# KiCad board DFTBoard.kicad_pcb (continued)
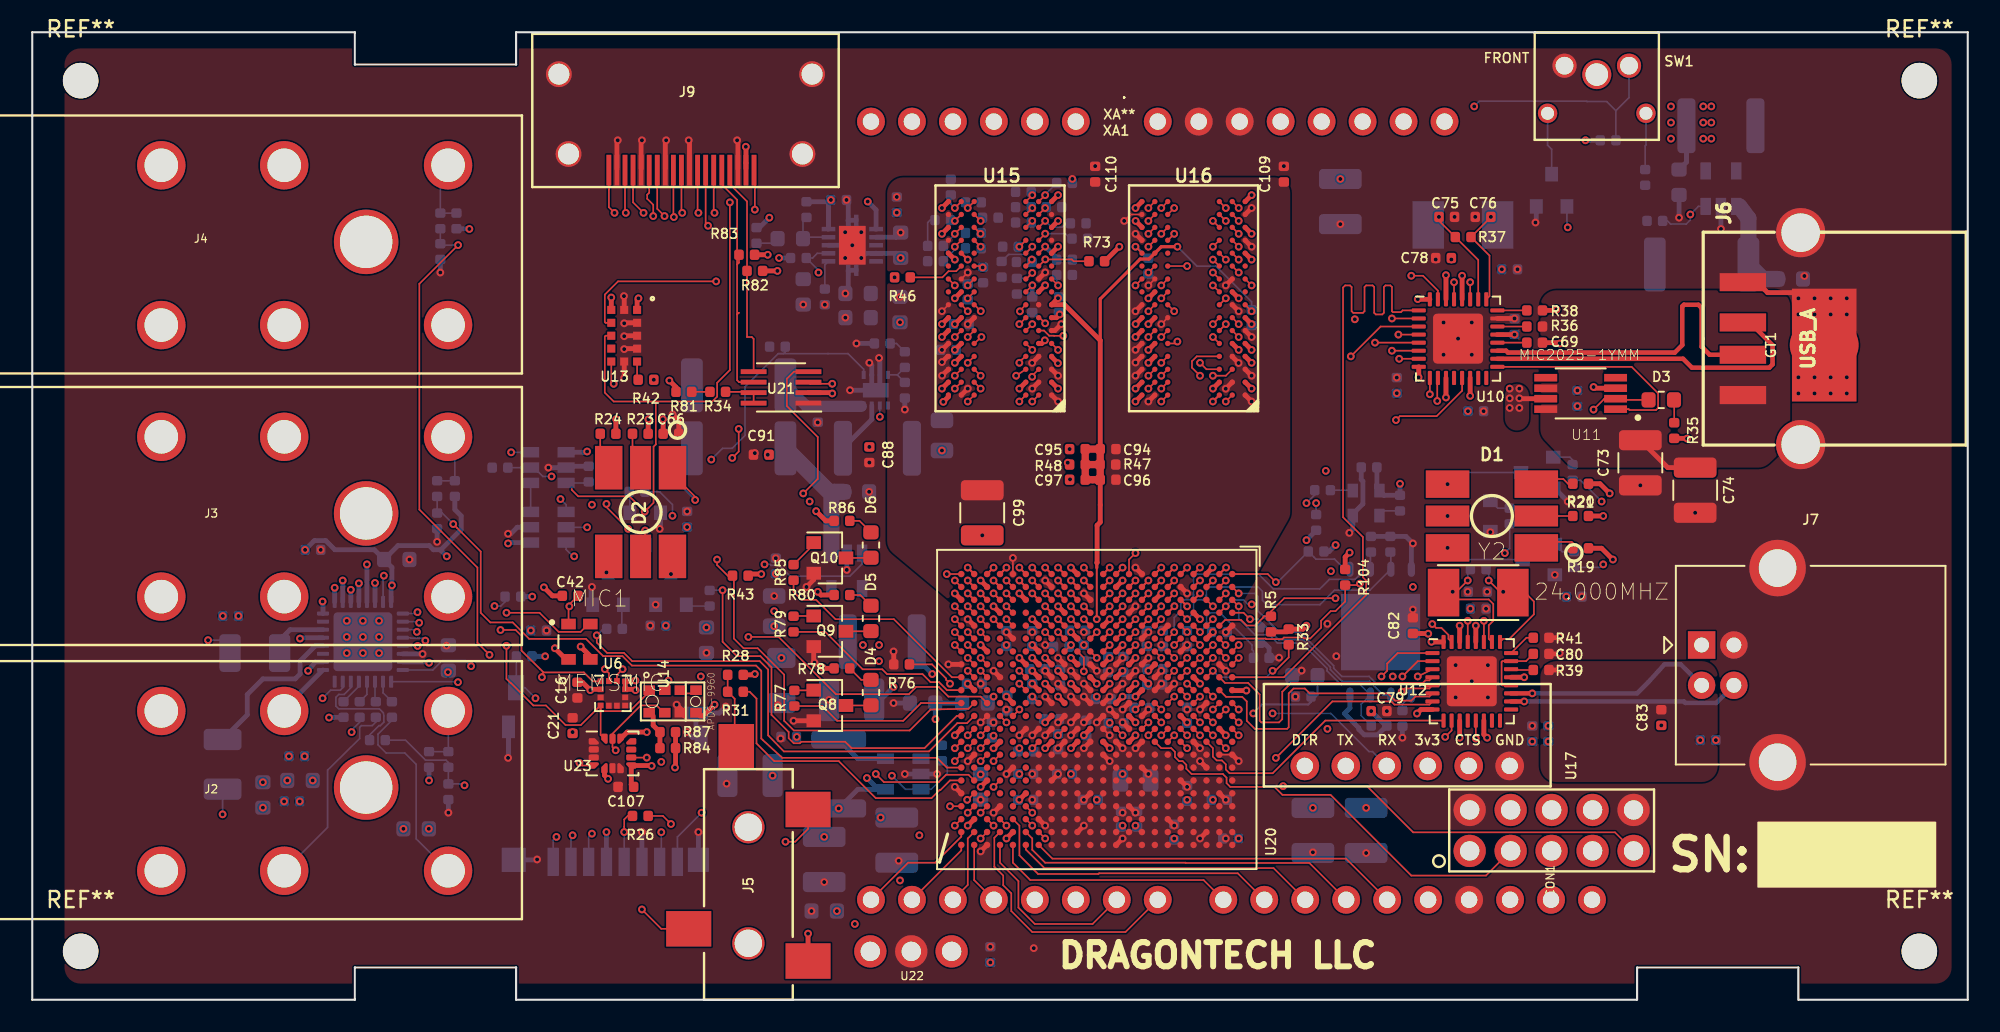
[diagram p0: board, top side]
## Routing (per net, layer and track width the routed paths; a pad name or vN(x,y) marks a point on that pad's centre or on a via; arc(x,y) is an arc through that point) (continued)
+3V3: length 69.3
  TOP_GND w0.102: U20.B3 v1(74,25.2)
  TOP_GND w0.3: U20.C6 v1(73.2,22.8) ; U20.Y17 v1(58.8,13.2) ; U20.B13 v1(74,16.4) ; U20.D9 v1(72.4,19.6) ; U20.E12 v1(71.6,17.2) ; v1(79,23.2) 78.78,22.99 R33.2 ; 74.4,19.18 v1(75.28,19.18) ; v1(39.85,14.4) 39.88,14.44 39.88,16.6 ; v1(85.85,17.75) 86.1,18 U12.8 ; U20.U8 v1(61.2,21.2) ; v1(37.4,19.2) 37.35,19.25 U6.9 U6.10 37.35,19.75 v1(37.4,19.8) ; U21.2 49.55,37.65 v1(49.6,37.6) ; U6.2 34.65,19.25 v1(34.6,19.2) 34.12,19.69 C16.1 ; 44.78,46.2 v1(45.6,46.2) ; v1(81.68,27.73) 81.4,27.46 R104.1 ; v1(90.2,16.25) 90,16.45 U12.14 ; U13.1 37.5,43.41 v1(37.59,43.5) ; U20.Y7 v1(58.8,22) ; U20.AB13 v1(57.2,16.4) ; U12.32 86.76,22.19 v1(86.75,22.2) ; U20.AA20 v1(58,10.8) ; U20.AA10 v1(58,19.6) ; v1(85.95,38.6) 85.96,38.61 U10.8 ; U12.11 v1(88.5,16.25) ; v1(86.55,22.7) 86.09,22.72 85.6,22.72 ; 44.38,26.4 v1(45.2,26.4) ; v1(102.6,34.8) 102.59,34.81 R35.2 ; U20.W14 v1(59.6,15.6) ; 37.28,13.2 37.14,13.35 U23.8 38.38,14.52 v1(38.4,14.5) ; U23.5 35.48,13.92 v1(35.7,13.7) ; 39.12,35.1 39.12,35.98 ; 45.28,45.2 v1(46.2,45.2) ; U10.32 85.91,43.44 v1(85.9,43.45) ; U13.11 v1(35.9,43.55) ; 77.8,22.81 R5.1 ; U10.11 v1(87.65,37.35) ; U20.W4 v1(59.6,24.4) ; v1(38.1,16.6) 36.89,16.6 U23.12 ; U20.V21 v1(60.4,10) ; U20.V11 v1(60.4,18.8) ; v1(42.3,18.3) 41.6,17.6 41.4,17.6 ; U20.U18 v1(61.2,12.4) ; U10.14 v1(89.15,37.45) ; U20.T5 v1(62,23.6) ; U20.AB3 v1(57.2,25.2)
  BOTTOM w0.3: L2.2 102.56,51.95 C10.1 ; J8.4 v1(35.6,10.4) ; R25.1 v1(46.3,46) ; U9.7 24.55,20.95 v1(24.6,20.9) ; v1(79,28.5) 79.6,29.1 79.6,29.12 ; U8.10 49.37,49.45 v1(49.51,49.6) 49.4,49.48 R101.1 ; R106.2 80.41,27.8 v1(80.81,28.2) ; v1(84.8,32) 84.8,31.28 83.81,31.28 83.37,31.74 C120.1 ; 18.75,24.68 v1(18.75,25.55) ; U9.18 17.55,20.95 v1(17.1,20.4) ; C41.2 25.8,20.34 v1(25.77,20.32) ; v1(45.7,48.5) 45.09,47.89 R102.2 ; R99.1 v1(31.8,21.3) ; U19.8 81.69,18.09 81.35,17.75 82.25,16.85 82.25,16.76 82.59,16.43 83.41,16.43 R95.2 83.91,17 v1(83.01,17.9) ; v1(18,24.7) 18.03,24.68 U9.24
  vias: v1(12.78,23.8) v1(14.3,13.49) v1(15.81,13.6) v1(15.92,15.1) v1(16.58,12.3) v1(24.59,10.6) v1(30.91,22.9) v1(33.5,16.6) v1(38.53,38.45) v1(39.1,36) v1(40.6,29.31) v1(41.8,23.09) v1(45.6,33.8) v1(46.1,26.41) v1(51.9,34.28) v1(59.4,2.31) v1(60.4,22) v1(64.4,14) v1(66,12.4) v1(67.6,14) v1(67.6,10.8) v1(68.4,10.8) v1(70.8,10) v1(71.6,12.4) v1(73.2,12.4) v1(74.8,10) v1(79.4,11.9) v1(81.1,50.9) v1(82.7,11.9) v1(89.01,36.5) v1(91.12,45.3) v1(93,16.01) v1(94,16.99) v1(101.6,55.4) v1(101.6,54.4) v1(101.6,53.4) v1(103.41,16.1) v1(103.6,55.4) v1(103.6,54.4) v1(103.6,53.4) v1(104.1,55.4) v1(104.1,54.4) v1(104.1,53.4)
+5V: length 18.4
  TOP_GND w0.3: R81.2 39.91,37.98 v1(39.5,38.4) ; U10.21 v1(91.9,41.25) ; v1(48.6,30.3) 49.2,29.7 49.72,29.7 ; v1(94.7,20.5) 94.65,20.45 R39.2 ; 49.72,25.1 48.9,25.1 v1(48.7,25.3) ; R23.1 38.19,35.98 ; R20.1 v1(97.4,30) ; 49.72,20.55 49.05,20.55 v1(49,20.6) ; R21.1 97.2,32 v1(97.8,31.4) ; v1(98,27.3) 97.3,28 R19.1 ; U12.21 v1(92.5,20) ; R24.1 36.19,35.98 ; 44.25,51.89 44.24,51.9 ; v1(92.2,37.3) 92.22,37.28 93.84,37.28 ; 44.25,51.55 44.25,52.89
  BOTTOM w0.3: U2.1 29.55,28.35 v1(29.5,28.3) ; v1(34.4,34) 34.35,33.95 U1.1
  vias: v1(36.2,36) v1(38.2,36) v1(39.28,23.2) v1(44.24,52.9) v1(49.89,5.5) v1(84.6,37.61) v1(91.6,37.9) v1(91.6,37.3) v1(91.6,36.7) v1(92.2,37.9) v1(92.2,36.7) v1(95.12,25) v1(95.8,36.81)
/Power/1V0TOLX: length 3.4
  BOTTOM w0.3: L3.1 51.19,14.95 U3.5
/Power/1V8_CS: length 8.5
  BOTTOM w1: 49.55,31.35 U7.1 ; 49.55,31.35 49.7,31.5 C13.1 ; 49.55,31.35 R90.2
/Power/1V35_CS: length 5.4
  BOTTOM w0.3: U5.8 51.4,36.8
  BOTTOM w0.7: 51.4,36.8 48,36.8 R89.2
/Power/3V3_CS: length 6
  BOTTOM w1: 105.85,49.2 106.4,48.45 R88.2 107.3,44.7 C3.1
/Power/VCCAUX: length 17.1
  TOP_GND w0.3: U20.L10 v1(66.8,19.6) ; v1(64.4,19.6) U20.N10 ; U20.R10 v1(62.8,19.6) ; U20.P11 v1(63.6,18.8)
  SIGNAL1 w0.3: v1(63.6,18.8) 63.11,18.31 61.76,18.31 60.65,19.43 60.22,19.43 v1(59.6,18.8)
  SIGNAL2 w0.102: 73.6,17.82 73.61,17.82
  SIGNAL2 w0.115: 73.8,17.6 74.99,17.6 75.15,17.76 v1(75.7,17.76) ; 73.8,17.6 73.6,17.8 ; 73.8,17.6 73.38,17.6 73.39,17.6 73.6,17.8 ; 73.6,17.8 73.6,17.81 73.6,17.82 ; 67.04,19.84 v1(66.8,19.6)
  BOTTOM w0.102: 79.79,20 C33.1
  BOTTOM w0.13: C33.1 79.69,18.91 79.58,18.8 79.28,18.8 79.28,18.48 79.12,18.31 76.26,18.31 v1(75.7,17.76)
  BOTTOM w0.3: FB1.1 59.24,18.44 v1(59.6,18.8)
/Sensors/3.3V_R: length 2.2
  TOP_GND w0.3: 38.5,17.6 38.5,17.02 R87.2 R84.1
GND: length 160.8
  TOP_GND w0.102: U16.M9 v1(68.4,46.7) ; U15.E1 v1(63.6,40.3) ; C97.2 64.32,32.25 v1(64.34,32.27) ; R48.2 v1(64.2,33.31) ; U20.A15 U20.B15 ; v1(73.18,26.8) 73.2,26.8 73.21,26.81 ; U16.P9 68.41,48.29
  TOP_GND w0.13: U20.L13 v1(66.8,16.4) ; U20.Y12 v1(58.8,17.2)
  TOP_GND w0.3: U20.A15 v1(74.8,14.8) ; U20.C21 v1(72.4,10) ; U20.K12 v1(66.8,18) ; U20.Y22 v1(58.8,9.2) ; U15.A9 56.8,37.39 v1(56.49,37.08) ; U20.L9 v1(66.8,20.4) ; 40.75,51.55 40.75,53.25 ; 36.25,51.55 36.25,53.25 ; v1(48.5,20.9) 48.45,20.95 Q9.2 ; U20.T20 v1(62.8,10.8) ; U20.R17 v1(63.6,14) ; U20.L12 v1(66,17.2) ; U20.M14 v1(65.2,15.6) ; U20.G9 v1(70,20.4) ; U15.B1 v1(63.6,37.9) ; U20.V16 v1(60.4,14) ; U16.E1 v1(75.6,40.3) ; U15.G8 v1(57.2,41.9) ; v1(68.41,41.9) 68.8,42.3 U16.G9 ; U13.12 36.7,43.62 ; U10.23 v1(91.9,42.25) ; U20.J11 v1(67.6,18) ; U13.4 36.73,40.38 ; U20.M8 v1(66,20.4) ; U16.D8 v1(69.2,39.5) ; R41.2 94.65,22.45 v1(94.7,22.5) ; U20.P10 v1(63.6,19.6) ; U20.H6 v1(69.2,22.8) ; U16.J8 v1(69.2,43.5) ; 39.25,51.55 39.25,53.25 ; U20.F20 v1(70.8,10.8) ; U16.G8 v1(69.2,41.9) ; U16.A9 v1(68.4,37.1) ; v1(65.2,17.2) U20.M12 ; v1(48,25.6) 48.45,26.05 Q10.2 ; U16.G1 v1(75.6,41.9) ; U15.G1 63.5,42.3 v1(63.7,42.5) ; U15.D1 63.2,39.87 v1(63.59,39.47) ; U16.T1 v1(75.6,49.9) ; U20.K8 v1(67.6,21.2) ; U13.2 36.73,41.98 ; U20.H16 v1(69.2,14) ; C82.2 v1(85.6,24.2) ; v1(73.18,26.8) 72.8,26.42 U20.C1 ; C66.2 40.09,35.92 v1(39.7,36.3) ; v1(62.8,44.31) 62.4,43.91 U15.J2 ; 37.75,51.55 37.75,53.25 ; U20.K2 v1(67.6,26) ; U20.N13 v1(64.4,16.4) ; U20.E7 v1(71.6,22) ; U16.M1 v1(75.6,45.9) ; U20.D14 v1(72.4,15.6) ; v1(68.41,48.3) 68.8,47.91 U16.P9 ; v1(96.8,38) 96.88,37.92 U11.3 ; U13.6 v1(36.7,38.55) ; v1(53.4,21.6) 53.41,21.59 R76.2 ; U20.C16 v1(72.4,14.8) ; U15.G9 v1(56.4,41.9) ; U20.N21 v1(65.2,10.8) ; 43.75,51.55 43.75,53.25 ; U15.E2 62.59,40.7 v1(62.78,40.89) ; U13.3 36.73,41.18 ; U20.AA5 v1(58,23.6) ; U20.Y2 v1(58.8,26) ; U20.M10 v1(65.2,19.6) ; v1(94.5,42.8) 94.45,42.75 R38.2 ; U20.U3 v1(61.2,25.2) ; U20.G10 v1(70,19.6) ; U15.B9 v1(56.4,37.9) ; U20.V6 v1(60.4,22.8) ; U20.R11 v1(62.8,18.8) ; C80.1 94.65,21.45 v1(94.7,21.5) ; U15.T9 v1(56.4,49.1) ; U20.P14 v1(63.6,15.6) ; U20.P12 v1(63.6,17.2) ; U20.K22 v1(67.6,10) ; U16.B1 v1(75.6,37.9) ; v1(94.7,40.7) 94.65,40.75 C69.1 ; 111.1,43.85 107.59,43.85 106.94,44.5 J6.4 ; U16.B3 v1(73.2,37.9) ; U20.P8 v1(63.6,21.2) ; U20.P4 v1(63.6,24.4) ; U16.P1 v1(75.6,47.5) ; U20.N9 v1(64.4,20.4) ; U20.L5 v1(66.8,23.6) ; U20.L11 v1(66.8,18.8) ; U15.E8 v1(57.2,40.3) ; U16.E2 v1(74.8,40.3) ; U20.N1 v1(64.4,26.8) ; U20.A5 v1(74,22.8) ; U20.AB18 v1(57.2,13.2) ; U20.J13 v1(67.6,17.2) ; U20.J9 v1(68.4,20.4) ; U20.N11 v1(64.4,18.8) ; v1(63.6,46.71) 63.2,46.31 U15.M1 ; U20.N12 v1(64.4,17.2) ; U16.J2 v1(74.8,43.5) ; U20.H12 v1(69.2,18) ; U20.M11 v1(65.2,18.8) ; U15.P9 v1(56.4,47.5) ; U16.E8 v1(69.2,40.3) ; 36.48,13.36 C107.2 ; C78.2 v1(87.01,45.91) ; U20.E17 v1(71.6,13.2) ; U15.D8 v1(57.2,39.5) ; U15.B3 v1(61.2,37.9) ; U20.F10 v1(70.8,19.6) ; U20.G3 v1(70,25.2) ; v1(68.4,41.11) 68.79,41.5 U16.F9 ; U20.R13 v1(62.8,16.4) ; U20.W9 v1(59.6,20.4) ; v1(39.95,18.3) 40.43,17.82 40.43,17.6 ; U16.B9 v1(68.4,37.9) ; U20.B18 v1(74,12.4) ; U20.D4 v1(72.4,23.6) ; U20.U13 v1(61.2,16.4) ; U15.P1 63.2,47.9 v1(63.6,48.3) ; U20.K10 v1(67.6,19.6) ; Q8.2 v1(47.2,17.3) ; U20.K14 v1(67.6,15.6) ; U15.T1 v1(63.6,49.9) ; U16.T9 v1(68.4,49.1) ; U20.B8 v1(74,20.4) ; U20.AB8 v1(56.8,20.8) ; U20.L15 v1(66.8,14.8) ; v1(68.4,15.6) U20.H14 ; C110.2 v1(65.9,51.7) ; U16.D1 v1(75.6,39.5) ; U15.M9 v1(57.2,45.9) ; U20.H8 v1(69.2,21.2) ; U20.T13 v1(62,16.4) ; C109.2 v1(77.6,51.7) ; U20.AA15 v1(58,14.8) ; U20.R9 v1(62.8,20.4) ; U20.M18 v1(65.2,12.4) ; U15.J8 v1(57.2,43.5) ; U20.C11 v1(72.4,18) ; U15.F9 v1(56.4,41.1) ; U20.W19 v1(59.6,11.6) ; U20.J19 v1(68.4,11.6)
  BOTTOM w0.102: v1(68.4,46.7) 68.49,46.7 R49.2 ; 51.32,45.93 51.09,45.7 U8.11 ; 90.38,29.03 Q3.2 ; v1(50.84,46.79) 50.84,46.41
  BOTTOM w0.3: U4.2 v1(104.7,47.8) ; C10.2 v1(102.1,48.5) ; J8.6 29.53,15.03 v1(29.5,15) ; C36.1 v1(25.8,11.6) ; v1(40.6,16.6) 40.93,16.28 J8.11 41.15,16.6 J8.10 42.59,17.78 v1(43,18.18) ; v1(51.9,39.5) 52.05,39.35 U5.2 52.05,38.05 U5.9 ; 34.65,24.5 34.65,25.55 v1(34.7,25.6) ; C64.2 v1(25.3,45.1) ; 25.1,29.22 v1(25.1,28.4) ; U8.8 v1(50.84,46.79) ; v1(56.1,14) U3.2 v1(54.1,14) ; v1(31.3,8.7) 31.28,8.68 29.85,8.68 ; U8.11 U8.11 50.59,43.98 v1(50.41,43.8) ; v1(78.7,20.41) 78.39,20.1 C33.2 ; v1(81.66,28.95) 81.88,29.17 U18.2 81.88,30.12 82.5,30.75 82.5,32.15 82.4,32.26 82.4,33.02 ; 41.3,8.68 v1(41.3,10.4) ; C41.1 25.71,21.99 v1(25.69,21.96) ; 51.32,45.93 51.68,46.29 U8.4 53.55,46.29 v1(53.84,46) ; v1(93.2,48.2) 93.25,48.25 Q7.2 ; U19.4 85.5,28.21 v1(85.6,28.3) 85.16,28.74 R93.2 R94.2 ; U9.6 24.19,21.45 v1(24.2,21.44) ; v1(38.9,29.2) 38.95,29.25 Q4.2 ; v1(29.5,28.9) 29.67,28.9 30.07,29.3 U2.2 ; v1(48.7,35.8) 48.72,35.81 48.73,35.81 ; Q5.2 94.35,31.75 v1(95.2,30.9) ; C106.2 62.92,21.9 62.82,22 ; U8.11 U8.11 ; U8.11 50.59,47.79 v1(50.4,47.6) ; U8.11 50.59,49.5 v1(50.49,49.6) ; v1(69.2,18) 69.28,18.09 69.28,18.2 ; v1(46.4,16.2) 46.41,16.22 C27.2 ; C26.2 v1(53.4,18.4) ; v1(77.3,21.21) 77.29,21.2 R96.2 76.69,21.81 76.38,22.12 76.1,22.12 ; U7.2 v1(50.5,26.66) ; v1(32,33) U1.2 33.19,33.08 C1.2 ; U5.9 v1(50.7,37.8) ; U5.9 52.55,38.05 U5.3 52.55,39.75 v1(52.5,39.8) ; R74.2 v1(64.49,50.91) ; C67.2 v1(79.4,9.15) ; R92.2 v1(84.95,16.25) ; Q3.2 v1(90.4,29) ; 52.22,40.7 v1(51.1,40.7) ; J8.6 v1(37.8,10.4) ; C28.2 v1(53.72,8.62)
  vias: v1(17.89,27.9) v1(23.39,27.3) v1(31.88,22.9) v1(36.3,53.3) v1(36.69,43.64) v1(36.7,41.95) v1(36.7,41.15) v1(36.7,40.35) v1(37.8,53.3) v1(38.31,23.2) v1(38.65,24.5) v1(39.3,53.3) v1(40.6,30.28) v1(40.7,53.3) v1(41.8,21.51) v1(43.05,13.4) v1(43.7,53.3) v1(44.8,33.9) v1(46,25.04) v1(46.1,27.38) v1(46.22,18.28) v1(47.8,43.11) v1(48.31,5.5) v1(49.14,43.11) v1(49.1,7.3) v1(49.4,18.6) v1(50.4,46) v1(50.41,42.3) v1(51.4,47.6) v1(51.4,46) v1(51.9,33.31) v1(51.89,31.5) v1(53.47,44.8) v1(53.6,48.81) v1(53.8,42.01) v1(56.4,34.06) v1(58.8,19.6) v1(58.8,12.4) v1(58.9,28.8) v1(59.4,3.28) v1(59.6,17.2) v1(60.4,18) v1(62,22.8) v1(62,14) v1(62,12.4) v1(62.09,3.2) v1(62.8,22) v1(64.31,34.15) v1(65.2,22.8) v1(67.6,11.6) v1(70,22) v1(71.6,18) v1(74,10) v1(78.31,18.8) v1(80.3,23.31) v1(80.85,21.31) v1(81.1,48.1) v1(82.7,9.1) v1(83.99,17.9) v1(84.6,38.58) v1(87.5,42) v1(87.5,40) v1(88.19,48.55) v1(88.25,20.75) v1(88.25,18.75) v1(88.4,41) v1(89,25.3) v1(89.25,42) v1(89.25,40) v1(89.25,19.75) v1(89.47,48.55) v1(89.99,36.5) v1(90.13,24.25) v1(90.2,25.3) v1(90.25,20.75) v1(90.25,18.75) v1(92.09,45.3) v1(93,16.99) v1(94,16.01) v1(94.4,26.35) v1(95.8,37.78) v1(96.09,25) v1(99.7,31.9) v1(101,17.01) v1(103.1,30.2) v1(104.38,16.1) v1(109.5,43.5) v1(109.5,42.5) v1(109.87,44.88) v1(110.5,43.5) v1(110.5,42.5) v1(111.5,43.5) v1(111.5,42.5) v1(112.5,43.5) v1(112.5,42.5)
GNDA: length 14
  TOP_GND w0.3: C42.2 32.25,25.05 v1(31.72,25.58) ; 33.05,21.15 v1(32.4,21.8) ; J5.1 v1(48.1,4.1) ; 34.75,21.15 v1(34,21.9) 34.6,21.3 MIC1.3
  BOTTOM w0.3: J2.RB 15.62,18.04 U9.17 ; 30.28,25 v1(31,25) ; U9.21 16.65,22.45 v1(16.6,22.4) ; C45.1 18.42,17.51 v1(18.4,17.5) ; 19.25,24.68 v1(19.25,26)
  vias: v1(11.81,23.8) v1(14.3,11.91) v1(15.61,12.3) v1(16.89,15.1) v1(17.39,13.6) v1(19.5,23.5) v1(19.5,22.5) v1(19.5,21.5) v1(20.5,23.5) v1(20.5,22.5) v1(20.5,21.5) v1(21.5,23.5) v1(21.5,22.5) v1(21.5,21.5) v1(23.01,10.6) v1(109.5,38.6) v1(109.5,37.6) v1(110.5,38.6) v1(110.5,37.6) v1(111.5,38.6) v1(111.5,37.6) v1(112.5,38.6) v1(112.5,37.6)
/Audio/HPRCOM_C_N: length 56.4
  TOP_GND w0.102: 37.64,5.6 v1(37.8,5.6) 39,4.4 J5.3
  SIGNAL1 w0.102: v1(11.8,11.5) 11.46,11.5 9.7,13.26 9.7,15.3 10.2,15.8 11.12,15.8 15.27,11.65 16.55,11.65 22.6,5.6 27.88,5.6 29.88,7.6 43.2,7.6 43.7,7.1 43.7,6.3 43.24,5.84 38.04,5.84 v1(37.8,5.6)
  BOTTOM w0.102: C48.2 v1(11.8,11.5)
/Audio/HPRCOM_C_P: length 52.1
  TOP_GND w0.102: J5.2 48.1,10.6 47.3,9.8 v1(46.7,9.8)
  SIGNAL1 w0.102: v1(46.7,9.8) 44.7,7.8 29.8,7.8 27.8,5.8 22.69,5.8 16.58,11.91 15.3,11.91 10.9,16.31 v1(10.9,22.3)
  BOTTOM w0.102: 12.26,22.3 v1(10.9,22.3)
/Audio/HPSWITCH: length 3.4
  TOP_GND w0.102: 43.12,20.15 43.12,19.1 43.55,18.66 43.55,16.9
/Audio/INSWITCH: length 3.7
  BOTTOM w0.102: 24.6,15.38 25.8,15.38 25.8,17.89 J2.TB
/Audio/JACK_IN_N: length 12.3
  BOTTOM w0.102: J2.R 18.31,10.69 18.31,14.24 20.3,16.2 20.3,16.9 20.4,17 21.08,17 21.3,17.22 C40.2
/Audio/JACK_IN_P: length 12.4
  BOTTOM w0.102: J2.T 23.8,9.98 23.8,14.6 23.1,15.3 21.94,15.3 21.44,15.8 21.44,16.47 22.3,17.33 C37.2
/Audio/JACK_INC_N: length 1.3
  BOTTOM w0.102: U9.11 21.25,18.53 C40.1
/Audio/JACK_INC_P: length 1.5
  BOTTOM w0.102: C37.1 21.75,19.03 U9.10
/Audio/LED_1BA: length 2.5
  TOP_GND w0.102: D1.3 93.57,32.29 94.93,32.29 95.22,32 R21.2
/Audio/LED_1BC: length 4.9
  BOTTOM w0.102: v1(87.75,31.98) 88.47,32.7 Q5.3
/Audio/LED_1GA: length 2.3
  TOP_GND w0.102: R20.2 D1.2
/Audio/LED_1GC: length 0.7
  TOP_GND w0.102: 87.73,30.01 v1(87.75,30)
  BOTTOM w0.102: Q3.3 v1(87.75,30)
/Audio/LED_1RA: length 2.8
  TOP_GND w0.102: R19.2 95.51,28.32 95.44,28.39 93.62,28.39 D1.1
/Audio/LED_1RC: length 5
  BOTTOM w0.102: v1(87.75,28.02) 88.47,27.3 Q1.3
/Audio/LED_2BA: length 2.3
  TOP_GND w0.102: 35.22,35.1 35.22,33.52 ; 35.51,33.32 36.04,32.8
/Audio/LED_2BC:
  vias: v1(35.6,26.5)
/Audio/LED_2GA: length 2.3
  TOP_GND w0.102: 37.22,35.1 37.22,33.5 ; 37.51,33.3 38.02,32.8
/Audio/LED_2GC: length 2.7
  TOP_GND w0.102: 38.02,27.29 38,27.31 v1(38,29.1)
  BOTTOM w0.102: Q4.3 v1(38,29.1)
/Audio/LED_2RA: length 4.3
  TOP_GND w0.102: v1(41.1,30.99) 41.1,31.19 39.99,32.3 39.99,32.8
  BOTTOM w0.102: 39.5,32.01 40.08,32.01 v1(41.1,30.99)
/Audio/LED_2RC:
  vias: v1(39.6,26.4)
/Audio/LSWITCH: length 4
  BOTTOM w0.102: J3.TB 26.2,34.49 R29.1 R30.2
/Audio/MICBIAS: length 23.1
  TOP_GND w0.102: MIC1.1 33.25,24.35 v1(33.3,24.4) 33.3,24.51 C42.1 34.13,25.05
  SIGNAL1 w0.102: v1(33.3,24.4) 33.29,24.41 v1(28.66,24.41)
  SIGNAL2 w0.102: v1(18,18.7) 22.98,18.7 28.81,24.53
  BOTTOM w0.102: U9.15 19.25,19.35 19.1,19.2 18.5,19.2 v1(18,18.7) ; C35.2 29.31,24.68 29.05,24.41 v1(28.66,24.41)
/Audio/RSWITCH: length 4.2
  BOTTOM w0.102: J4.TB 25.3,51.27 R32.2 R27.1
/Audio/SIG_F: length 1.4
  BOTTOM w0.102: U9.12 20.75,18.94 C38.1
/Audio/SIGC_F: length 19.7
  TOP_GND w0.102: MIC1.4 34.48,23.3 34,22.82 32.63,22.82 31.45,24 v1(29.4,24)
  SIGNAL2 w0.102: v1(29.4,24) 28.8,24 21.4,16.6 v1(19.8,16.6)
  BOTTOM w0.102: v1(19.8,16.6) 19.8,16.72 20.3,17.22 C38.2
/DDR3/PGOOD_LED: length 1.4
  BOTTOM w0.102: R102.1 45.93,46.92 D7.2
/DDR3/VREF: length 69.4
  TOP_GND w0.102: U16.H1 v1(75.6,42.7) ; U20.H7 v1(69.2,22) ; U20.P7 v1(64.4,22)
  TOP_GND w0.12: 66,27.1 v1(66,23.6) ; 66.02,31.99 65.76,32.25
  TOP_GND w0.15: U15.M8 v1(58,45.9) ; 66.22,32.25 66.22,31.83
  TOP_GND w0.2: v1(71,46.7) 70,46.7 U16.M8 69.23,45.93 68.69,45.93 66.22,43.46 66.22,40.89 ; 66,27.1 66,26.8
  TOP_GND w0.3: v1(63.6,43.51) 63.2,43.11 U15.H1 64,43.1 66.22,40.89 66.22,34.15 ; 66.22,32.25 66.22,29.62 66.02,29.42 66.02,27.12 66,27.1
  TOP_GND w0.45: 65.28,33.19 R47.2 ; 66.22,32.25 65.28,32.25 65.28,34.15 66.22,34.15 66.22,32.25
  SIGNAL1 w0.3: v1(51.8,49.5) 51.8,48.89 55.28,45.41 57.51,45.41 v1(58,45.9)
  SIGNAL2 w0.102: v1(69.2,22) 68.81,22.39 68.81,22.97 68.59,23.19 66.41,23.19 v1(66,23.6) 65.61,23.21 65.03,23.21 64.79,22.97 64.79,22.39 v1(64.4,22)
  SIGNAL4 w0.15: v1(58,45.9) 58.24,45.66 58.24,45.48 60.61,43.11 62.57,43.11 62.59,43.09 63.18,43.09 v1(63.6,43.51)
  BOTTOM w0.102: v1(71,46.7) 72.21,45.49 73.39,45.49 75.6,43.28 v1(75.6,42.7)
  BOTTOM w0.3: U8.1 52.31,48.98 v1(51.8,49.5)
/DDR3/ZQH: length 3.5
  TOP_GND w0.102: R46.1 56.43,44.8 56.81,45.18 57.28,45.18 U15.L8
/DDR3/ZQL: length 0.6
  TOP_GND w0.102: U16.L8 v1(69.2,45.1)
/LCD50/SLED0_D: length 1.6
  TOP_GND w0.102: D4.1 51.99,18.25 Q8.3
/LCD50/SLED0_G: length 1.3
  TOP_GND w0.102: Q8.1 48.44,19.19 47.2,19.19
/LCD50/SLED0_R: length 1.6
  TOP_GND w0.102: R78.2 51.4,19.84 D4.2
/LCD50/SLED1_D: length 1.6
  TOP_GND w0.102: Q9.3 51.99,22.85 D5.1
/LCD50/SLED1_G: length 1.3
  TOP_GND w0.102: 47.2,23.78 47.22,23.8 Q9.1
/LCD50/SLED1_R: length 1.6
  TOP_GND w0.102: D5.2 51.34,25.1 R80.1
/LCD50/SLED2_D: length 1.6
  TOP_GND w0.102: D6.1 51.99,27.4 Q10.3
/LCD50/SLED2_G: length 1.9
  TOP_GND w0.102: R85.1 48.45,28.24 Q10.1
/LCD50/SLED2_R: length 1.6
  TOP_GND w0.102: R86.1 51.29,29.7 D6.2
/Sensors/TEMPO_LED_D: length 3.9
  BOTTOM w0.102: Q7.3 94.2,52.75 93.95,53 SW1.3
/Sensors/TEMPO_LED_R: length 3.5
  BOTTOM w0.102: R45.2 100,52.95 100.05,53 SW1.4
/USB/USBH_FLAG_LED: length 1.4
  TOP_GND w0.102: R35.1 101.8,37.19 D3.2
ACC_INT1: length 27.8
  TOP_GND w0.102: U6.12 35.75,20.25 v1(35.5,20.5) ; U20.W12 v1(60.4,17.2)
  SIGNAL1 w0.102: v1(35.5,20.5) 37.1,18.9 37.12,18.9 37.22,18.8 38.1,18.8 38.3,19 48.42,19 49.42,18 56.3,18 56.7,17.6 U20.W12 v1(60.4,17.2)
ACC_INT2: length 27.6
  TOP_GND w0.102: U20.V12 v1(61.2,18) ; v1(36.6,20.5) 36.25,20.15 U6.11
  SIGNAL1 w0.102: v1(36.6,20.5) 39.92,20.5 41.21,19.21 41.59,19.21 42.19,19.81 55.99,19.81 57.4,18.39 60.81,18.39 v1(61.2,18)
AX_TCLK: length 29.5
  TOP_GND w0.102: U20.G11 v1(70,18)
  SIGNAL2 w0.102: v1(70,18) 69.59,17.59 68.21,17.59 68,17.38 68,13.7 68.1,13.6 76,13.6 79.45,10.15 83.85,10.15 84.77,9.23 CON1.1
AX_TDI: length 36.1
  TOP_GND w0.102: v1(77.55,13.25) 82.75,13.25 85.62,10.38 98.13,10.38 CON1.9 ; U20.H13 v1(69.2,17.2)
  SIGNAL2 w0.102: v1(69.2,17.2) 68.81,16.81 68.81,14.49 68.9,14.4 70.4,14.4 70.8,14 76.8,14 v1(77.55,13.25)
AX_TDO: length 26.7
  TOP_GND w0.102: CON1.3 90.13,7.7 85.5,7.7 80.49,12.71 77.51,12.71 77.02,13.2 74.28,13.2 74.05,13.43 74.05,13.77 73.82,14 71.88,14 71.55,14.32 71.55,14.57 71.32,14.8 71.1,14.8 70.85,15.05 70.85,15.37 70.62,15.6 70,15.6 U20.G14
AX_TMS: length 28.9
  TOP_GND w0.102: U20.G12 v1(70,17.2)
  SIGNAL1 w0.102: CON1.5 92.93,10.5 79.2,10.5 76.1,13.6 72.25,13.6 72,13.85 72,14.4 70.41,15.99 70.41,16.79 v1(70,17.2)
BOOTSPI_CS: length 8.7
  TOP_GND w0.102: v1(77.1,25.9) 76.6,26.4 U20.A1
  BOTTOM w0.102: v1(77.1,25.9) 77.22,25.9 79.12,27.8 79.59,27.33 80.74,27.33 81.37,26.7 U19.1
BOOTSPI_DQ0_BMODE3: length 16.4
  TOP_GND w0.102: U20.A2 v1(74.8,25.2)
  BOTTOM w0.102: R92.1 84.95,18.34 U19.5 85.5,19.47 85.33,19.65 83.29,19.65 82.89,20.05 81.2,20.05 80.69,20.56 80.69,20.71 78.6,22.8 77.31,22.8 77.05,23.05 ; 77.05,23.05 76.8,23.31 ; 77.05,23.05 76,24.11 76,25 75.8,25.2 v1(74.8,25.2)
BOOTSPI_DQ1_BMODE1: length 17.7
  TOP_GND w0.102: U20.F6 v1(70.8,22.8)
  BOTTOM w0.102: R94.1 82.97,27.73 U19.2 82.64,26.7 82.02,26.08 82.02,26.07 80.42,26.07 79.83,25.48 76.94,25.48 76.03,26.39 72.21,26.39 72,26.18 72,25.1 71.99,25.09 71.99,25.01 71.79,24.81 71.43,24.81 71.21,24.59 71.21,24.11 70.8,23.7 v1(70.8,22.8)
BOOTSPI_DQ2_BMODE2: length 17.4
  TOP_GND w0.102: U20.E4 v1(71.6,23.6)
  BOTTOM w0.102: R93.1 84.24,27.73 84.24,26.7 82.94,25.4 80.74,25.4 79.84,24.5 76.54,24.5 76.27,24.77 76.27,25.33 76.01,25.59 72.99,25.59 72.8,25.4 72.8,25.1 72.79,25.09 72.79,25.01 72.58,24.8 72.2,24.8 72,24.6 72,24 v1(71.6,23.6)
BOOTSPI_DQ3_BMODE0: length 13.9
  TOP_GND w0.102: U20.A3 v1(74.8,24.4)
  BOTTOM w0.102: v1(74.8,24.4) 74.8,23.64 75.8,22.64 76.68,22.64 77.2,22.12 78.7,22.12 80.28,20.54 80.28,20.39 81.14,19.53 82.34,19.53 U19.7 82.4,18.34 82.4,17.62 R95.1
BOOTSPI_SCK_BMODE4: length 12.5
  TOP_GND w0.102: v1(75.5,23.6) 75.1,24 U20.A4
  BOTTOM w0.102: 76.56,23.05 77.29,22.32 78.79,22.32 80.48,20.63 80.48,20.48 81.21,19.75 82.9,19.75 83.75,18.9 84.24,18.9 ; 76.56,23.05 76.52,23.09 R91.1 ; 76.56,23.05 76.01,23.6 v1(75.5,23.6)
CLK33.33: length 1.4
  BOTTOM w0.102: R100.2 81.85,31.6 81.88,31.57
DDR3_A0: length 51.9
  TOP_GND w0.102: U16.N3 v1(73.2,46.7) ; U15.N3 v1(61.2,46.7)
  TOP_GND w0.13: U20.M4 v1(65.21,24.39)
  SIGNAL4 w0.102: v1(61.2,46.7) 61.59,46.31 63.01,46.31 63.42,45.9 66.21,45.9 66.25,45.9 66.28,45.92 66.31,45.94 66.34,45.96 66.36,46 66.37,46.03 66.38,46.11 66.4,46.14 66.42,46.18 66.44,46.2 66.48,46.22 66.51,46.24 66.55,46.24 66.61,46.24 66.65,46.24 66.68,46.22 66.71,46.2 66.74,46.18 66.76,46.14 66.77,46.11 66.78,46.03 66.8,46 66.82,45.96 66.84,45.94 66.88,45.92 66.91,45.9 66.95,45.9 67.05,45.9 67.45,46.3 72.8,46.3 v1(73.2,46.7) 73.6,46.3 73.6,45.25 74.15,44.7 75.9,44.7 76.1,44.5 76.1,43.55 75.65,43.1 74.55,43.1 74.4,42.95 74.4,41.45 73.6,40.65 73.6,36.2 71.34,33.94 71.31,33.9 71.28,33.85 71.27,33.8 71.27,33.74 71.28,33.69 71.31,33.64 71.37,33.56 71.4,33.51 71.41,33.46 71.41,33.4 71.4,33.35 71.37,33.3 71.34,33.26 71.26,33.18 71.22,33.14 71.17,33.12 71.11,33.11 71.06,33.11 71.01,33.12 70.96,33.14 70.92,33.18 70.58,33.52 70.53,33.55 70.48,33.57 70.43,33.59 70.38,33.59 70.32,33.57 70.28,33.55 70.23,33.52 70.15,33.43 70.12,33.39 70.09,33.34 70.08,33.29 70.08,33.24 70.09,33.18 70.12,33.13 70.15,33.09 70.49,32.75 70.53,32.71 70.55,32.66 70.56,32.61 70.56,32.55 70.55,32.5 70.53,32.45 70.49,32.41 70.41,32.33 70.37,32.29 70.32,32.27 70.27,32.26 70.21,32.26 70.16,32.27 70.11,32.29 70.07,32.33 69.73,32.67 69.68,32.7 69.64,32.73 69.58,32.74 69.53,32.74 69.48,32.73 69.43,32.7 69.39,32.67 69.3,32.59 69.27,32.54 69.25,32.49 69.23,32.44 69.23,32.39 69.25,32.33 69.27,32.29 69.3,32.24 69.64,31.9 69.68,31.86 69.7,31.81 69.71,31.76 69.71,31.7 69.7,31.65 69.68,31.6 69.64,31.56 69.56,31.48 69.52,31.44 69.47,31.42 69.42,31.41 69.36,31.41 69.31,31.42 69.26,31.44 69.22,31.48 68.88,31.82 68.84,31.85 68.79,31.88 68.73,31.89 68.68,31.89 68.63,31.88 68.58,31.85 68.54,31.82 68.45,31.74 68.42,31.69 68.4,31.65 68.38,31.59 68.38,31.54 68.4,31.49 68.42,31.44 68.45,31.4 68.8,31.05 68.83,31.01 68.85,30.96 68.86,30.91 68.86,30.86 68.85,30.8 68.83,30.75 68.8,30.71 68.71,30.63 68.67,30.6 68.62,30.57 68.57,30.56 68.51,30.56 68.46,30.57 68.41,30.6 68.37,30.63 68.03,30.97 67.99,31 67.94,31.03 67.89,31.04 67.83,31.04 67.78,31.03 67.73,31 67.69,30.97 67.61,30.89 67.57,30.85 67.55,30.8 67.54,30.74 67.54,30.69 67.55,30.64 67.57,30.59 67.61,30.55 67.78,30.38 67.77,30.37 67.94,30.2 67.97,30.16 68,30.11 68.01,30.06 68.01,30 68,29.95 67.97,29.9 67.94,29.86 67.86,29.78 67.82,29.74 67.77,29.72 67.71,29.71 67.66,29.71 67.61,29.72 67.56,29.74 67.47,29.81 67.43,29.83 67.37,29.84 67.32,29.84 67.27,29.83 67.22,29.81 67.18,29.78 65.72,28.32 65.3,28.32 64.8,27.82 64.8,24.8 v1(65.21,24.39) 65.02,24.39
  BOTTOM w0.102: 61.28,46.78 v1(61.2,46.7)
DDR3_A1: length 52.3
  TOP_GND w0.102: U16.P7 v1(70,47.5) ; U15.P7 58.79,47.51
  TOP_GND w0.13: U20.M5 v1(65.2,23.6)
  SIGNAL1 w0.102: v1(70,47.5) 69.6,47.9 69,47.9 68.8,47.7 68.8,47.3 ; 68.8,47.3 69,47.1 69.46,47.1 69.94,46.62 69.94,45.46 71.69,43.71 71.69,40.89 70.7,39.9 68.6,39.9 68.59,39.91 68.21,39.91 67.4,39.1 67.4,37.75 67.39,37.71 67.38,37.66 67.36,37.63 67.32,37.59 67.29,37.57 67.24,37.56 67.2,37.55 67.12,37.55 67.07,37.54 67.03,37.53 66.99,37.51 66.96,37.47 66.94,37.44 66.92,37.39 66.92,37.35 66.92,37.31 66.94,37.26 66.96,37.23 66.99,37.19 67.03,37.17 67.07,37.16 67.12,37.15 67.57,37.15 67.6,37.15 67.64,37.13 67.67,37.11 67.7,37.09 67.72,37.06 67.73,37.02 67.73,36.98 67.73,36.92 67.73,36.88 67.72,36.84 67.7,36.81 67.67,36.79 67.64,36.77 67.6,36.75 67.57,36.75 67.12,36.75 67.07,36.74 67.03,36.73 66.99,36.71 66.96,36.67 66.94,36.64 66.92,36.59 66.92,36.55 66.92,36.51 66.94,36.46 66.96,36.43 66.99,36.39 67.03,36.37 67.07,36.36 67.12,36.35 67.68,36.35 67.73,36.34 67.77,36.33 67.81,36.31 67.84,36.27 67.86,36.24 67.88,36.19 67.88,36.15 67.88,36.11 67.86,36.06 67.84,36.03 67.81,35.99 67.77,35.97 67.73,35.96 67.68,35.95 67.12,35.95 67.07,35.94 67.03,35.93 66.99,35.91 66.96,35.87 66.94,35.84 66.92,35.79 66.92,35.75 66.92,35.71 66.94,35.66 66.96,35.63 66.99,35.59 67.03,35.57 67.07,35.56 67.12,35.55 67.68,35.55 67.73,35.54 67.77,35.53 67.81,35.51 67.84,35.47 67.86,35.44 67.88,35.39 67.88,35.35 67.88,35.31 67.86,35.26 67.84,35.23 67.81,35.19 67.77,35.17 67.73,35.16 67.68,35.15 67.12,35.15 67.07,35.14 67.03,35.13 66.99,35.11 66.96,35.07 66.94,35.04 66.92,34.99 66.92,34.95 66.92,34.91 66.94,34.86 66.96,34.83 66.99,34.79 67.03,34.77 67.07,34.76 67.12,34.75 67.68,34.75 67.73,34.74 67.77,34.73 67.81,34.71 67.84,34.67 67.86,34.64 67.88,34.59 67.88,34.55 67.88,34.51 67.86,34.46 67.84,34.43 67.81,34.39 67.77,34.37 67.73,34.36 67.68,34.35 67.12,34.35 67.07,34.34 67.03,34.33 66.99,34.31 66.96,34.27 66.94,34.24 66.92,34.19 66.92,34.15 66.92,34.11 66.94,34.06 66.96,34.03 66.99,33.99 67.03,33.97 67.07,33.96 67.12,33.95 67.63,33.95 67.68,33.94 67.72,33.93 67.76,33.91 67.79,33.87 67.81,33.84 67.83,33.79 67.83,33.75 67.83,33.71 67.81,33.66 67.79,33.63 67.76,33.59 67.72,33.57 67.68,33.56 67.63,33.55 67.6,33.55 67.56,33.54 67.51,33.53 67.48,33.51 67.44,33.47 67.42,33.44 67.41,33.39 67.4,33.35 67.4,30.25 66,28.85 66,24.26 65.47,23.73 65.33,23.73 v1(65.2,23.6) ; 68.8,47.3 68.6,47.1 65.55,47.1 65.51,47.11 65.46,47.12 65.43,47.14 65.39,47.18 65.37,47.21 65.36,47.26 65.35,47.3 65.35,47.4 65.34,47.44 65.33,47.49 65.31,47.52 65.27,47.56 65.24,47.58 65.19,47.59 65.15,47.6 65.11,47.59 65.06,47.58 65.03,47.56 64.99,47.52 64.97,47.49 64.96,47.44 64.95,47.4 64.95,46.8 64.94,46.76 64.93,46.71 64.91,46.68 64.87,46.64 64.84,46.62 64.79,46.61 64.75,46.6 64.71,46.61 64.66,46.62 64.63,46.64 64.59,46.68 64.57,46.71 64.56,46.76 64.55,46.8 64.55,46.9 64.54,46.94 64.53,46.99 64.51,47.02 64.47,47.06 64.44,47.08 64.39,47.09 64.35,47.1 59.19,47.1 v1(58.79,47.5)